# Altium PCB 主板513.PcbDoc
Units mil, origin at the board's own origin, x right, y up, seen from the top; angles counter-clockwise.
Board outline 3943.04 x 2129.13 mil, 2 copper layers (Top Layer, Bottom Layer); 62 components, 54 nets, 303 pads, 22 vias.
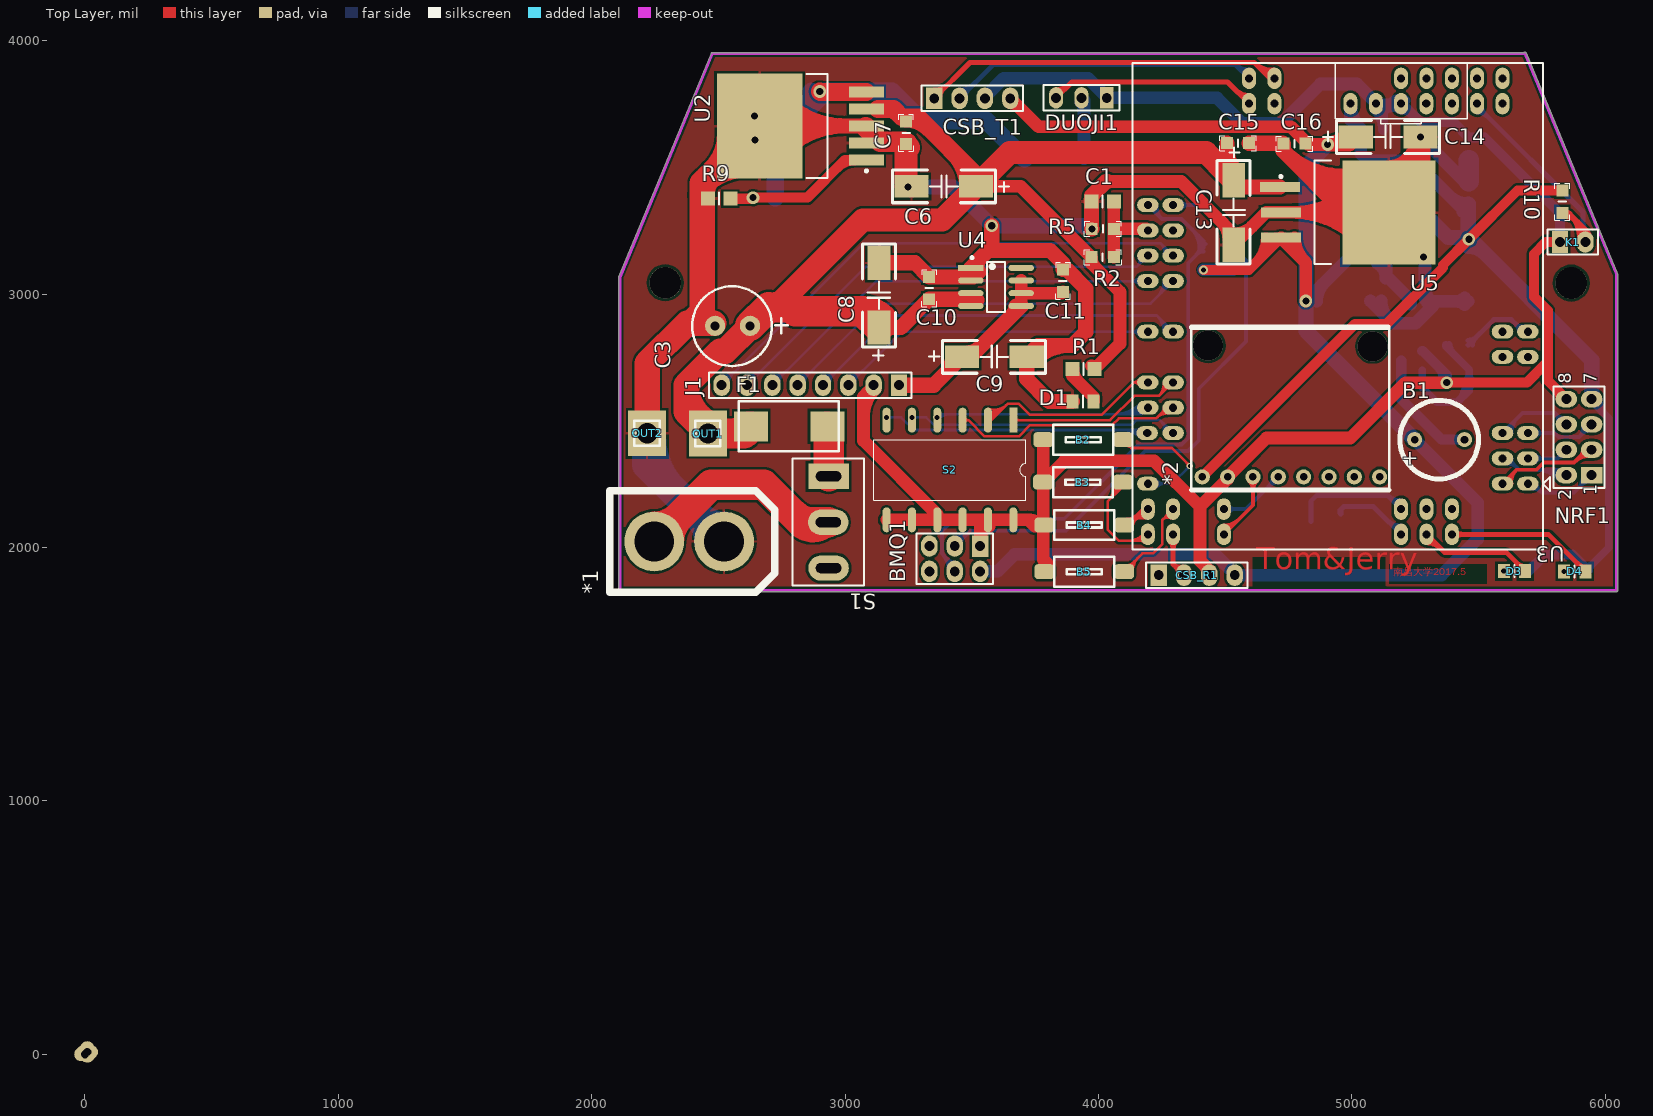
[diagram p0: Top Layer view]
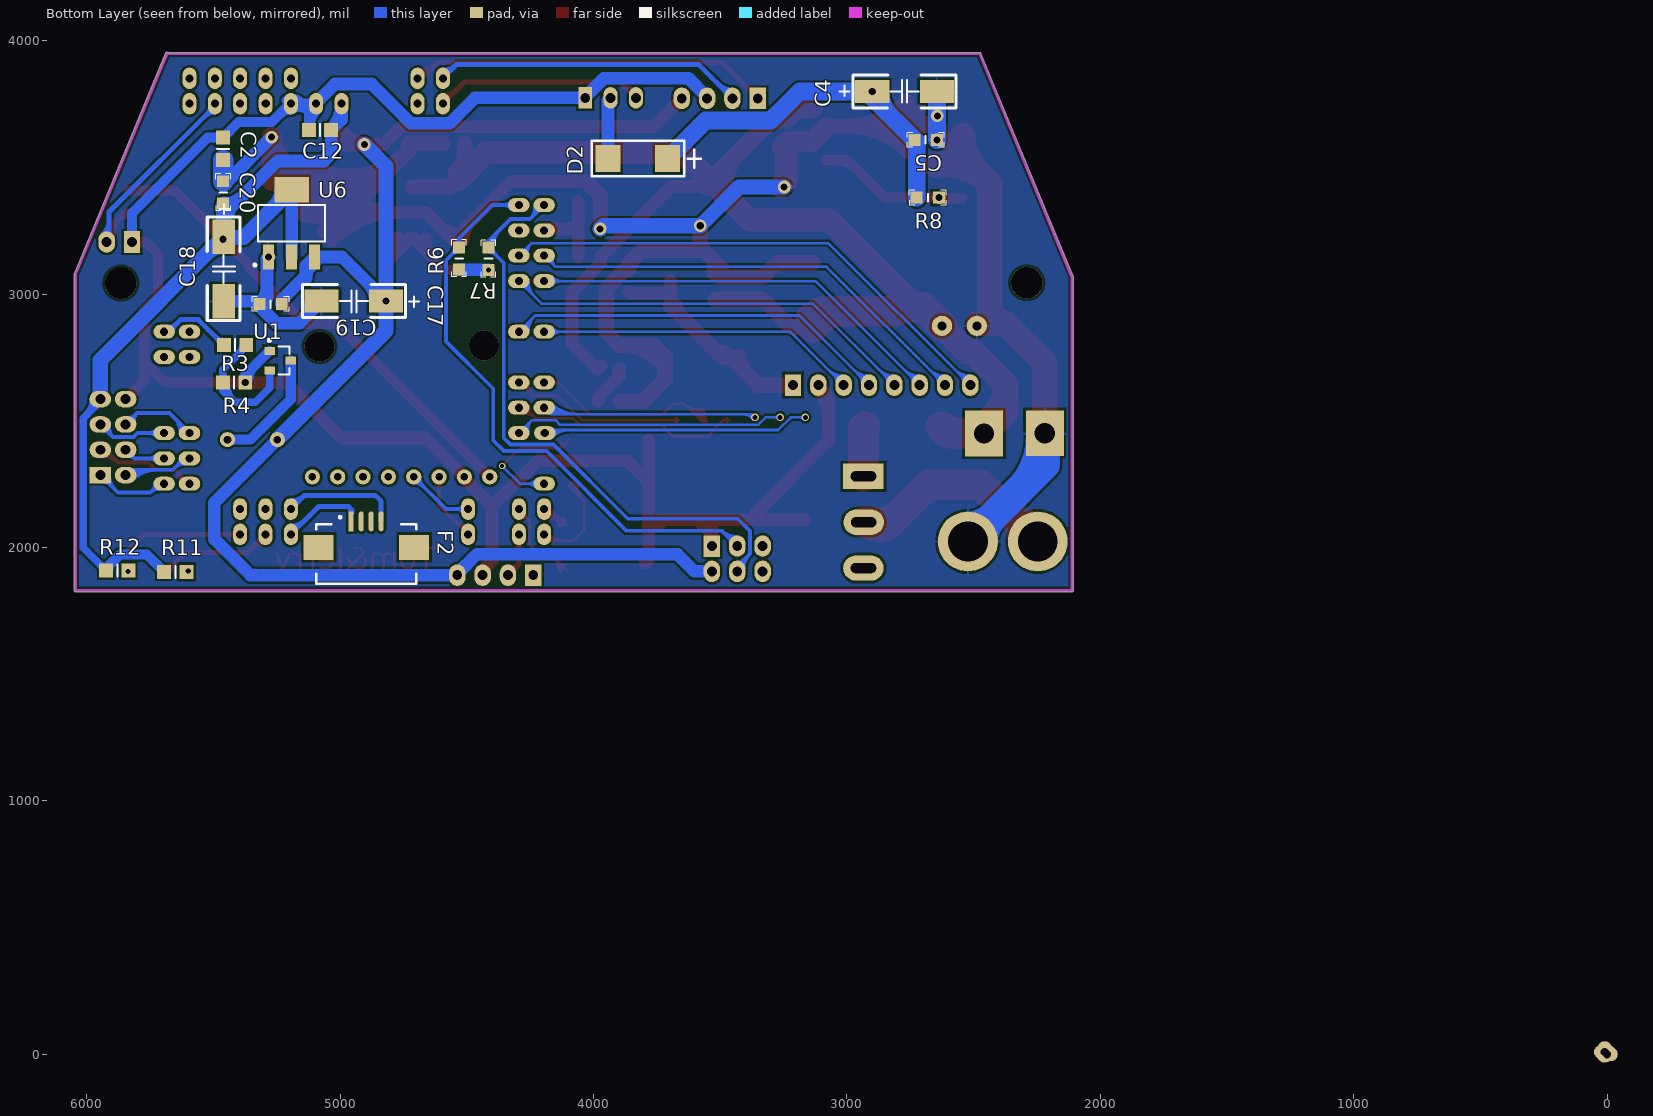
[diagram p1: Bottom Layer view, seen from below]

## Layer stack, top to bottom
Top Solder: solder mask 0.4, Solder Resist, Dk 3.5
Top Layer: signal copper 1.4
Dielectric1: dielectric 12.6, FR-4, Dk 4.8
Bottom Layer: signal copper 1.4
Bottom Solder: solder mask 0.4, Solder Resist, Dk 3.5

## Board outline
2106.98,1831 2106.98,3067 cw(c2111.99,3067) 2107.36,3068.92 2471.05,3948.7 cw(c2475,3948.71) 2473.47,3952.35 cw(c2476.26,3948.18) 2478.53,3952.66 5679.05,3952.66 cw(c5683.37,3950.1) 5688,3952.02 6049.63,3078.59 6049.63,3078.58 6049.63,3078.59 cw(c6045,3076.66) 6050.02,3076.66 6050.02,1831 cw(c6045,1831) 6045,1825.98 2111.99,1825.98 cw(c2111.99,1831)

## Design rules (kind name [scope] priority, off if disabled: settings)
Clearance [All] p1: gap=10
PolygonConnect [All] p1: connectstyle=Relief reliefconductorwidth=10 reliefentries=4 polygonreliefangle="90 Angle" airgapwidth=10
RoutingVias [All] p1: holewidth=28 width=50 viastyle="Through Hole" minholewidth=28 minwidth=50 maxholewidth=28 maxwidth=50
SolderMaskExpansion [All] p1: expansion=4
Width [All] p1: maxlimit=150 minlimit=10 preferedwidth=60 minimp=50.000000 maximp=50.000000 favimp=50.000000
29 further rules are at their usual default settings.

## Components (designator, comment, footprint, x,y, rotation, side; value= is the part's Value field where it differs from the comment)
*1 "XT60" XT60 2247,2024 r90 top
*2 "MPU6050" MPU6050 5110,2279 r90 top
B1 "Speaker" Beep 5445,2426 r180 top
B2 "Button" Button-SMT 3940,2426 r180 top
B3 "Button" Button-SMT 3939,2258 r180 top
B4 "Button" Button-SMT 3944,2089 r180 top
B5 "Button" Button-SMT 3944,1905 r180 top
BMQ1 "Header2x3" HEADER2X3 3438,1946 r180 top
C1 "CAP_0805" C0805 4017,3365 r0 top
C2 "CAP_0805" C0805 5463,3574 r270 bottom
C3 "CAP_1000UF_DIP" CAP_DIP_8×14 2555,2874 r180 top
C4 "CAP_6032" CAP_6032_C 2773,3800 r0 bottom
C5 "" CAP-0805 2689,3614 r0 bottom
C6 "CAP_6032" CAP_6032_C 3390,3426 r0 top
C7 "" CAP-0805 3246,3637 r90 top
C8 "CAP_6032" CAP_6032_C 3134,2996 r270 top
C9 "CAP_6032" CAP_6032_C 3589,2753 r180 top
C10 "" CAP-0805 3327,3024 r270 top
C11 "" CAP-0805 3855,3053 r270 top
C12 "CAP_0805" C0805 5080,3648 r180 bottom
C13 "CAP_6032" CAP_6032_C 4534,3323 r90 top
C14 "CAP_6032" CAP_6032_C 5143,3620 r180 top
C15 "" CAP-0805 4551,3601 r180 top
C16 "" CAP-0805 4774,3589 r0 top
C17 "CAP_6032" CAP_6032_C 4946,2973 r180 bottom
C18 "CAP_6032" CAP_6032_C 5460,3100 r90 bottom
C19 "" CAP-0805 5275,2956 r180 bottom
C20 "" CAP-0805 5467,3402 r270 bottom
CSB_R1 "Header1x4" HEADER1X4 4388,1891 r0 top
CSB_T1 "Header1x4" HEADER1X4 3502,3773 r0 top
D1 "LED_0805_R" LED_0805_R 3939,2577 r180 top
D2 "Diode" DIODE 3818,3580 r0 bottom
D3 "LED_0805_R" LED_0805_R 5642,1907 r0 top
D4 "LED_0805_R" LED_0805_R 5880,1906 r0 top
DUOJI1 "Header1x3" HEADER1X3 3933,3775 r180 top
F1 "FUSE-1808-Base" Fuse1808_Base 2930,2478 r180 top
F2 "FPC-1-4" FPC-1-4 4903,1992 r180 bottom
J1 "Header1x8" HEADER1X8 2868,2641 r180 top locked
K1 "Header1x2" HEADER1X2 5872,3206 r0 top
NRF1 "Header2x4" HEADER2X4 5902,2436 r90 top
OUT1 "Header1x1" HEADER1X1 2458,2450 r90 top
OUT2 "Header1x1" HEADER1X1 2218,2451 r90 top
R1 "RES" R0805 3941,2705 r180 top
R2 "RES-0805" RES-0805 4022,3219 r180 top
R3 "RES" R0805 5415,2800 r180 bottom
R4 "RES" R0805 5419,2652 r180 bottom
R5 "RES-0805" RES-0805 4013,3185 r0 top
R6 "RES-0805" RES-0805 4458,3136 r90 bottom
R7 "RES-0805" RES-0805 4488,3145 r270 bottom
R8 "RES-0805" RES-0805 2686,3308 r180 bottom
R9 "RES" R0805 2503,3377 r0 top
R10 "RES-0805" RES-0805 5904,3360 r90 top
R11 "RES" R0805 5651,1904 r180 bottom
R12 "RES" R0805 5880,1909 r180 bottom
S1 "SW" SW-B 2934,2100 r270 top
S2 "SW-6" SW-SMT-12 3664,2503 r270 top
U1 "NPN-SOT-23" SOT-23 5240,2741 r270 bottom
U2 "LM2941" TO-263-5S 2796,3649 r0 top
U3 "MK60-LQ-124" MK60-LQ-144 4961,2939 r180 top locked
U4 "TPS7350" SOP-8 3596,3029 r0 top
U5 "LM2940(TO-263-3)" TO-263-3 4959,3328 r270 top
U6 "LM1117" SOT-223 5192,3280 r90 bottom

## Footprints (in the part's own frame and the unit in brackets; to place one, negate y for a bottom-side part, rotate by r counter-clockwise, add the part's x,y. Pads: shape width x height; smd on the part's side, far side on the other; paste and mask are expansions set on the pad)
Beep [mil]
  round 60 hole 30: 1(196.85,0) 2(0,0)
  silkscreen extent -55,-155 255,155
Button-SMT [mm]
  rrect50% 2x1.5 smd: 1(-4,0) 2(4,0)
  silkscreen extent -3,-1.5 3,1.5, body extent -4,-1.8 4,1.8, height 2.5
C0805 [mm]
  rect 1.4x1.4 smd: 1(-1.118,0) 2(1.118,0)
  silkscreen extent 0,-0.6 0,0.6, body extent -1,-0.6 1,0.6, height 1.2
CAP-0805 [mil]
  rect 46.85x47.24 smd: 1(-44,5) 2(44,5)
  silkscreen extent -73,-24 73,34, body extent -39,-20 39,29, height 24
CAP_6032_C [mil]
  rect 135x90 smd: 1(127,0) 2(-128,0)
  silkscreen extent -203,-65 257,65, body extent -124,-69 124,69, height 110
CAP_DIP_8×14 [mil]
  round 80 hole 35.43: 1(-70,-1) 2(68,-1)
  silkscreen extent -219,-157 158,157, body extent -161,-160 161,162, height 567
DIODE [mil]
  rect 100x106.3 smd: 1(-110,45) 2(125,45)
  silkscreen extent -240,-25 190,115, body extent -89,-8 107,98, height 85
FPC-1-4 [mm]
  rect 0.5x2 smd: 1(-1.365,2.825)
  oval 0.5x2 smd: 2(-0.365,2.825) 3(0.635,2.825) 4(1.635,2.825)
  rect 3x2.5 smd: 5(-4.64,0.227) 6(4.936,0.227)
  silkscreen extent -4.87,-3.43 5.13,3.36, body extent -5.83,-3.47 6.09,3.08, height 2.66
Fuse1808_Base [mm]
  rect 3.4x3 smd: 1(0,0) 2(7.645,0)
  silkscreen extent -1.17,-2.54 8.86,2.5, body extent -1.1,-2.54 8.72,2.49, height 3.81
HEADER1X1 [mil]
  rect 180x150 hole 80: 1(0,-0.99)
  silkscreen extent -50,-50 50,50, body extent -50,-49 50,49, height 336
HEADER1X2 [mil]
  rect 65x85 hole 39: 1(-50,0)
  oval 65x85 hole 39: 2(50,0)
  silkscreen extent -100,-50 100,50, body extent -95,-48 105,50, height 323
HEADER1X3 [mil]
  rect 55x85 hole 39: 1(-100,0)
  oval 55x85 hole 39: 2(0,0) 3(100,0)
  silkscreen extent -150,-50 150,50, body extent -145,-48 155,50, height 323
HEADER1X4 [mil]
  rect 65x85 hole 39: 1(-150,0)
  oval 65x85 hole 39: 2(-50,0) 3(50,0) 4(150,0)
  silkscreen extent -200,-50 200,50, body extent -200,-48 200,50, height 323
HEADER1X8 [mil]
  rect 65x85 hole 39: 1(-345,0)
  oval 65x85 hole 39: 2(-245,0) 3(-145,0) 4(-45,0) 5(55,0) 6(155,0) 7(255,0) 8(355,0)
  silkscreen extent -395,-50 405,50, body extent -395,-50 405,48, height 323
HEADER2X3 [mil]
  rect 65x85 hole 39: 1(-95,-60)
  oval 65x85 hole 39: 2(-95,40) 3(5,-60) 4(5,40) 5(105,-60) 6(105,40)
  silkscreen extent -145,-110 155,90, body extent -145,-110 155,90, height 335
HEADER2X4 [mil]
  rect 65x85 hole 39: 1(-150,-45)
  oval 65x85 hole 39: 2(-150,55) 3(-50,-45) 4(-50,55) 5(50,-45) 6(50,55) 7(150,-45) 8(150,55)
  silkscreen extent -200,-95 200,105, body extent -200,-95 200,105, height 335
LED_0805_R [mm] "Chip Resistor, Body 2.0x1.2mm, IPC Medium Density"
  rect 1.2x1.4 smd: 1(-1.067,0) 2(1.067,0)
  silkscreen extent 0,-0.6 0,0.6, body extent -1.01,-0.62 1.01,0.63, height 1.1
MK60-LQ-144 [mil]
  oval 85x55 hole 32: 1(-734,687) 2(-634,687) 3(-734,587) 4(-634,587) 5(-734,487) 6(-634,487) 7(4952,2930) 8(4952,2930) 9(4952,2930) 10(4952,2930) 11(-734,187) 12(-634,186.21) 13(-734,87) 14(-634,87) 15(4961,2939) 16(4961,2939) 17(4961,2939) 18(4961,2939) 19(4961,2939) 20(4961,2939) 21(4952,2930) 22(4952,2930) 23(4952,2930) 24(4952,2930) 25(4952,2930) 26(4952,2930) 27(4952,2930) 28(4952,2930) 29(4952,2930) 30(4952,2930) 63(4952,2930) 64(4952,2930) 65(4952,2930) 66(4952,2930) 67(4952,2930) 68(4952,2930) 69(766,-413) 70(666,-413) 71(766,-313) 72(666,-313) 73(766,-213) 74(666,-213) 75(766,-113) 76(666,-113) 77(4952,2930) 78(4952,2930) 79(766,87) 80(666,87) 81(4952,2930) 82(4952,2930) 83(766,287) 84(666,287) 85(766,387) 86(666,387) 87(768.36,487) 88(666,487) 89(4952,2930) 90(4952,2930) 91(766,687) 92(4952,2930)
  oval 55x85 hole 32: 31(4952,2930) 32(4952,2930) 33(-634,-813) 34(-634,-913) 35(-534,-813) 36(-534,-913) 37(-434,-813) 38(-434,-913) 39(-333.21,-813) 40(-334,-913) 41(-234,-813) 42(-233.61,-913) 43(-134,-813) 44(4952,2930) 45(-34,-813) 46(4952,2930) 47(4952,2930) 48(4952,2930) 49(4952,2930) 50(4952,2930) 51(266,-813) 52(266,-913) 53(366,-813) 54(366,-913) 55(4952,2930) 56(4952,2930) 57(4952,2930) 58(4952,2930) 59(4952,2930) 60(4952,2930) 61(4952,2930) 62(4952,2930) 93(766,787) 94(766,887) 95(666,787) 96(666,887) 97(4952,2930) 98(4952,2930) 99(466,787) 100(466,887) 101(4952,2930) 102(4952,2930) 103(4952,2930) 104(4952,2930) 105(4952,2930) 106(4952,2930) 107(4952,2930) 108(4952,2930) 109(4952,2930) 110(4952,2930) 111(4952,2930) 112(4952,2930) 113(-234,787) 114(-234,887) 115(-334,787) 116(-334,887) 117(-434,787) 118(-434,887) 119(4952,2930) 120(4952,2930) 121(4952,2930) 122(4952,2930) 123(4952,2930) 124(4952,2930)
  silkscreen extent -821,-973 826,947, body extent -777,-966 819,947, height 335
MPU6050 [mil]
  round 60 hole 30: 1(0,700) 2(0,600) 3(0,500) 4(0,400) 5(0,300) 6(0,200) 7(0,100) 8(0,0)
  silkscreen extent -52,-38 594,743
R0805 [mm] "Chip Resistor, Body 2.0x1.2mm, IPC Medium Density"
  rect 1.4x1.4 smd: 1(-1.118,0) 2(1.118,0)
  silkscreen extent 0,-0.6 0,0.6, body extent -1.49,-0.7 1.51,0.7, height 0.49
RES-0805 [mil]
  rect 46.85x47.24 smd: 1(-39,73) 2(49,73)
  silkscreen extent -68,44 78,102, body extent -35,48 43,98, height 31
SOP-8 [mm]
  rect 2.54x0.6 smd: 1(-2.527,1.905)
  oval 2.54x0.6 smd: 2(-2.527,0.635) 3(-2.527,-0.635) 4(-2.527,-1.905) 5(2.527,-1.905) 6(2.527,-0.635) 7(2.527,0.635) 8(2.527,1.905)
  silkscreen extent -2.54,-2.5 0.89,3.05, body extent -3.02,-2.51 3.02,2.51, height 1.6
SOT-23 [mil]
  rect 31.5x41.34 smd: 1(-35.5,-37.5) 2(41.5,-37.5) 3(3.5,44.5)
  silkscreen extent -82,-45 59,40, body extent -56,-45 63,55, height 43
SOT-223 [mm]
  rect 2.54x1.1 smd: 1(-3.375,2.3) 2(-3.375,0) 3(-3.375,-2.3)
  rect 2.54x3.45 smd: 4(3.375,0)
  silkscreen extent -4.31,-3.35 1.85,3.81, body extent -3.48,-3.25 3.48,3.25, height 1.66
SW-B [mil]
  rect 100x160 hole 40 slot 100 at 90 deg: 1(-181,1)
  oval 100x160 hole 40 slot 100 at 90 deg: 2(0,0) 3(181,1)
  silkscreen extent -252,-141 249,140, body extent -251,-200 250,200, height 1120
SW-SMT-12 [mm]
  rect 2.5x0.8 smd: 1(0,0)
  oval 2.5x0.8 smd: 2(0,-2.54) 3(0,-5.08) 4(0,-7.62) 5(0,-10.16) 6(0,-12.7) 7(10,-12.7) 8(10,-10.16) 9(10,-7.62) 10(10,-5.08) 11(10,-2.54) 12(10,0)
  silkscreen extent 1.98,-13.97 8.02,1.27, body extent -0.02,-14.52 9.78,1.66, height 3.7
TO-263-3 [mil]
  rect 39.37x158 smd: 1(-95,-242.5) 2(5,-238.72) 3(105,-238.72)
  rect 411.42x368 smd: 4(5,187.5)
  silkscreen extent -200,-244 210,-42, body extent -195,-265 205,343, height 185
TO-263-5S [mm]
  rect 3.5x1.1 smd: 1(7.32,-3.019) 2(7.32,-1.319) 3(7.32,0.381) 4(7.32,2.081) 5(7.32,3.781)
  rect 8.6x10.5 smd: 6(-3.373,0.381)
  silkscreen extent 1.33,-4.82 7.45,5.58, body extent -7.33,-4.57 8.34,5.43, height 4.81
XT60 [mm]
  round 6 hole 4: 1(0,0) 2(0,-7)
  silkscreen extent -5.08,-12.06 5.08,4.44

## Part data
B1: "Loudspeaker"
C5 C7 C10 C11 C15 C16 C19 C20: library part CAP-0805(2012)
F1: "保险丝"
U6: library part LM1117_SOT_223

## Free pads (board coordinates)
  round 125 hole 125: 0(2290,3045) 0(5866,3044)

## Via types
v1: diameter 50, hole 28, Top Layer to Bottom Layer, 13 vias
v2: diameter 30, hole 20, Top Layer to Bottom Layer, 3 vias
v3: diameter 35, hole 20, Top Layer to Bottom Layer, 3 vias
v4: diameter 118.11, hole 118.11, Top Layer to Bottom Layer, 2 vias
v5: diameter 25, hole 15, Top Layer to Bottom Layer, 1 vias

## Nets (pads, with @x,y where several pads share a name; then routed paths per layer and width w, separated by ;. In a path a pad name is that pad's centre, name@x,y a point inside that pad or via, vN(x,y) a via of type N, cw(c..) or ccw(c..) an arc to the next point about the centre after c; other vN are vias at no path point)
3.3V: *2.1 C12.2 C18.1 C20.2 NRF1.7 R10.2 R11.1 R12.1 U3.45 U6.2 U6.4 | length 5978.7
  Top Layer w40: *2.1 5014.06,2883.06 5138.69,2883.06 5360.5,3104.86 5360.5,3115.5 v1(5462,3217) 5654,3409 R10.2
  Bottom Layer w30: R12.1 6014.5,1999.5 6014.5,2509.82 5947,2577.32 NRF1.7 ; R12.1@5924,1921.56 ccw(c5924,1951.88) 5945.44,1930.44 ccw(c5966.88,1909) R12.1@5936.56,1909 ; NRF1.7@5974.5,2586 ccw(c6061.85,2586) 6000.09,2524.23
  Bottom Layer w40: R11.1 5763,1972 5870.54,1972 5924,1918.54 R12.1 ; 5904.35,1938.2 cw(c5875.15,1909) R12.1@5916.44,1909
  Bottom Layer w50: U3.45@4997.5,3737 ccw(c5119.42,3737) C12.2@5033.21,3650.79 ; C12.2@5037.8,3649.82 cw(c5138.36,3751.99) U3.45 4995,3689 C12.2 5036,3554 5064,3526 5247,3526 5438.5,3334.5 5460,3356 C20.2 ; U6.4@5174.32,3395.2 cw(c5131.64,3352.52) 5192,3352.52 cw(c5252.35,3352.52) U6.4@5209.68,3395.2 ; U6.2 U6.4 ; 5384.59,3388.41 ccw(c5461.8,3465.62) C20.2@5461.8,3356.43 ; 5438.5,3324.91 cw(c5476.14,3324.91) C20.2@5461.18,3359.45
  Bottom Layer w60: U6.4 5381,3223.87 5456.87,3223.87 C18.1 ; U6.4@5229.91,3412.87 ccw(c5321.44,3412.87) 5256.72,3348.15 ; C18.1@5460,3189.5 cw(c5460,3098.97) 5524.02,3162.98 ; C20.2@5460,3356 C18.1 ; NRF1.7 5947,2740 C18.1
5V_1: C9.1 C11.2 J1.1 U4.5 U4.6 U4.7 | length 1035.1
  Top Layer w50: U4.5 U4.6 ; U4.7 U4.6 ; C11.2 3855,3004 U4.6
  Top Layer w60: J1.1 3350,2641 C9.1 3494.49,2753 U4.5 ; 3397.98,2688.98 ccw(c3333.97,2753) C9.1@3424.5,2753 ; C9.1@3484.5,2768 ccw(c3484.5,2828.33) C9.1@3527.16,2785.67 ; 3661.35,2919.86 ccw(c3627.2,2954) U4.5@3675.49,2954
5V_2: B1.1 BMQ1.2 C14.1 C16.2 C17.1 C19.2 CSB_R1.4 CSB_T1.4 R6.1 R7.2 U5.3 U6.3 | length 7417.7
  Top Layer w40: v3(4415,3096) 4593.28,3096 U5.3 ; 4619.56,3122.28 ccw(c4518.84,3223) U5.3@4661.28,3223 ; 4687.84,3190.56 ccw(c4655.41,3223) U5.3@4701.28,3223
  Top Layer w50: CSB_T1.4@3652,3755.5 cw(c3652,3713.25) 3681.87,3743.13 ; CSB_T1.4 3764,3661 4759.54,3661 4829.54,3591 v1(4905,3591) ; U5.3 4819,3124.28 v1(4819,2973) ; U5.3@4724.28,3223 ccw(c4733.94,3223) U5.3@4727.11,3216.17 ; U5.3@4774.28,3223 ccw(c4904.65,3223) 4812.46,3130.82 ; C14.1@4990,3594 C14.1
  Top Layer w60: C14.1@4982.06,3629.7 cw(c4905.01,3695) 4905.01,3594 C14.1@4990,3594
  Bottom Layer w50: BMQ1.2 3602,1906 3669,1973 4461.46,1973 CSB_R1.4@4538,1896.46 ; v3(4415,3096) 4530,3096 R6.1 ; CSB_R1.4 5355,1891 5497,2033 5497,2177.15 B1.1 ; v1(4819,2973) 4993.13,3147.13 U6.3 5135.35,3113.23 ; C17.1@4861.5,2973 cw(c4964.1,2973) 4891.55,3045.55 ; U6.3@5100.48,3121.98 cw(c5110.6,3088.49) 5135.35,3113.23 ; U6.3@5101.84,3122.1 cw(c5097.42,3084.43) 5135.35,3084.43 ; U6.3@5103.28,3121.58 cw(c5064.59,3062.34) 5135.35,3062.34 ; 5221.81,2987.19 cw(c5195.82,2961.2) C19.2@5232.58,2961.2 ; C19.2 5229.43,2962.57 5229.43,2979.57 5135.35,3073.65 5135.35,3113.23
  Bottom Layer w60: v1(4905,3591) 4819,3505 v1(4819,2973) 4819,2855.15 B1.1
6V: C4.1 C5.2 D2.1 R8.1 U2.5 | length 1701.5
  Top Layer w70: v1(2900,3800) 2902.14,3797.86 U2.5
  Bottom Layer w70: R8.1 2725,3601 C5.2 2900,3776 v1(2900,3800) 3186.36,3800 3300.86,3685.5 3557.5,3685.5 D2.1 ; 2827.55,3703.55 ccw(c2731.1,3800) C4.1@2867.5,3800
7.2V: C3.1 C6.1 C7.2 C8.1 C10.2 C13.1 C15.2 F1.2 OUT1.1 R1.1 R2.2 U2.4 U4.3 U4.4 U5.1 | length 6876.1
  Top Layer w50: C6.1 3693,3426 R2.2 3973,3121 4085,3009 4085,2805 R1.1 R1.1@3973,2717 ; C6.1@3553.64,3411.86 cw(c3587.78,3377.72) 3587.78,3426 cw(c3587.78,3474.28) C6.1@3553.64,3440.14 ; R2.2@3971.42,3145.8 ccw(c4027.5,3145.8) 3987.85,3106.15
  Top Layer w60: C8.1 3221,2869 C10.2 3517,2980 3520,2977 ; C13.1@4507,3477 C15.2 ; C15.2@4507,3573.9 ccw(c4635.4,3573.9) C13.1@4544.61,3483.11 ; C13.1 4561,3423 U5.1 ; C13.1@4544.61,3438.11 ccw(c4581.08,3474.58) 4581.08,3423
  Top Layer w70: U2.4@3130.12,3730.65 3191.35,3730.65 3224,3698 3288.36,3698 3538.68,3447.68 C6.1 ; C7.2@3241.2,3692.58 cw(c3241.2,3565.62) 3330.97,3655.39 ; 3430.86,3555.5 cw(c3301.36,3426) C6.1@3484.5,3426 ; C6.1@3550.36,3436 cw(c3540.35,3426) C6.1@3554.5,3426
  Top Layer w90: 2698.4,2948.4 2725.4,2948.4 3070,3293 3384,3293 C6.1 3650,3559 4425,3559 4507,3477 C13.1 ; 2787,2948.4 2803.4,2932
  Top Layer w100: OUT1.1@2390.7,2518.28 ccw(c2458.99,2586.57) OUT1.1@2458.99,2490 ; OUT1.1 2373,2535.99 2373,2641.81 ; OUT1.1@2469.86,2487.51 cw(c2544.33,2641.81) 2373,2641.81 ; C3.1 2625,2871.58 2528.42,2775 2506.19,2775 2373,2641.81
  Top Layer w120: OUT1.1 2601,2450 F1.2 ; 2555.8,2450 ccw(c2555.8,2543.32) F1.2@2621.79,2477.33 ; C3.1 2698.4,2948.4 ; 2725.4,2948.4 2787,2948.4 ; 2803.4,2932 3071,2932 C8.1 ; 3072.44,2932 cw(c3072.44,2829.94) 3144.61,2902.11 ccw(c3072.44,2829.94) 3072.44,2932
A9: CSB_T1.1 U3.52 | length 1654.2
  Top Layer w20: CSB_T1.1 3493.5,3914.5 4614.68,3914.5 ; CSB_T1.1@3352,3805.5 ccw(c3352,3883.96) 3407.48,3828.48 ; CSB_T1.1@3374.5,3783 cw(c3404.68,3783) CSB_T1.1@3383.34,3804.34 ; 4646.07,3883.1 ccw(c4691.26,3928.28) U3.52@4695.15,3864.5 ; U3.52@4693.93,3884.47 cw(c4687.64,3987.46) 4614.68,3914.5 ; U3.52 4677.17,3852 4614.68,3914.5
A11: CSB_T1.2 U3.54 | length 1365.1
  Bottom Layer w20: CSB_T1.2 3585,3906 4541,3906 ; CSB_T1.2@3452,3805.5 ccw(c3452,3883.96) 3507.48,3828.48 ; CSB_T1.2@3474.5,3783 cw(c3504.68,3783) 3483.34,3804.34 ; U3.54@4594.61,3884.5 cw(c4592.96,3957.95) 4541,3906 ; U3.54 4541,3906
AGND: *1.2 C1.1 C2.2 C3.2 C4.2 C5.1 C6.2 C7.1 C8.2 C9.2 C10.1 C11.1 C13.2 C14.2 C15.1 C16.1 C17.2 C18.2 C19.1 C20.1 D1.2 OUT2.1 R5.1 R9.1 U2.2 U2.3 U2.6 U4.1 U4.2 U5.2 U5.4 U6.1 | length 15408.5
  Top Layer w40: U2.3@3084.19,3656.38 U2.3
  Top Layer w50: 4036.38,3445 4327,3445 4534,3238 C13.2 4662,3323 U5.2 U5.4@4971.75,3323 ; 4485.36,3286.64 cw(c4416.22,3217.5) C13.2@4514,3217.5 ; C13.2@4534,3237.5 ccw(c4534,3340.1) 4606.55,3267.55 ; C16.1@4728,3596 C16.1 ; U5.4@5034.07,3210.57 ccw(c4762.64,2939.14) 4762.64,3323 ccw(c4762.64,3706.86) U5.4@5034.07,3435.43 ; U5.4@5069.43,3245.93 ccw(c4883.35,3059.85) 4883.35,3323 ccw(c4883.35,3586.15) U5.4@5069.43,3400.07 ; U5.4 U5.4@5271,3447.5